# Altium PCB Copy of PCB-SM-multi.PcbDoc (part 2 of 2)
Units mil, origin at the board's own origin, x right, y up, seen from the top; angles counter-clockwise.
Board outline 4897 x 3097 mil, 5 copper layers (L1, L1-2, L2, L3, L4); 330 components, 255 nets, 1010 pads, 4 vias.
Unrouted connection lines stored in the file: 538.
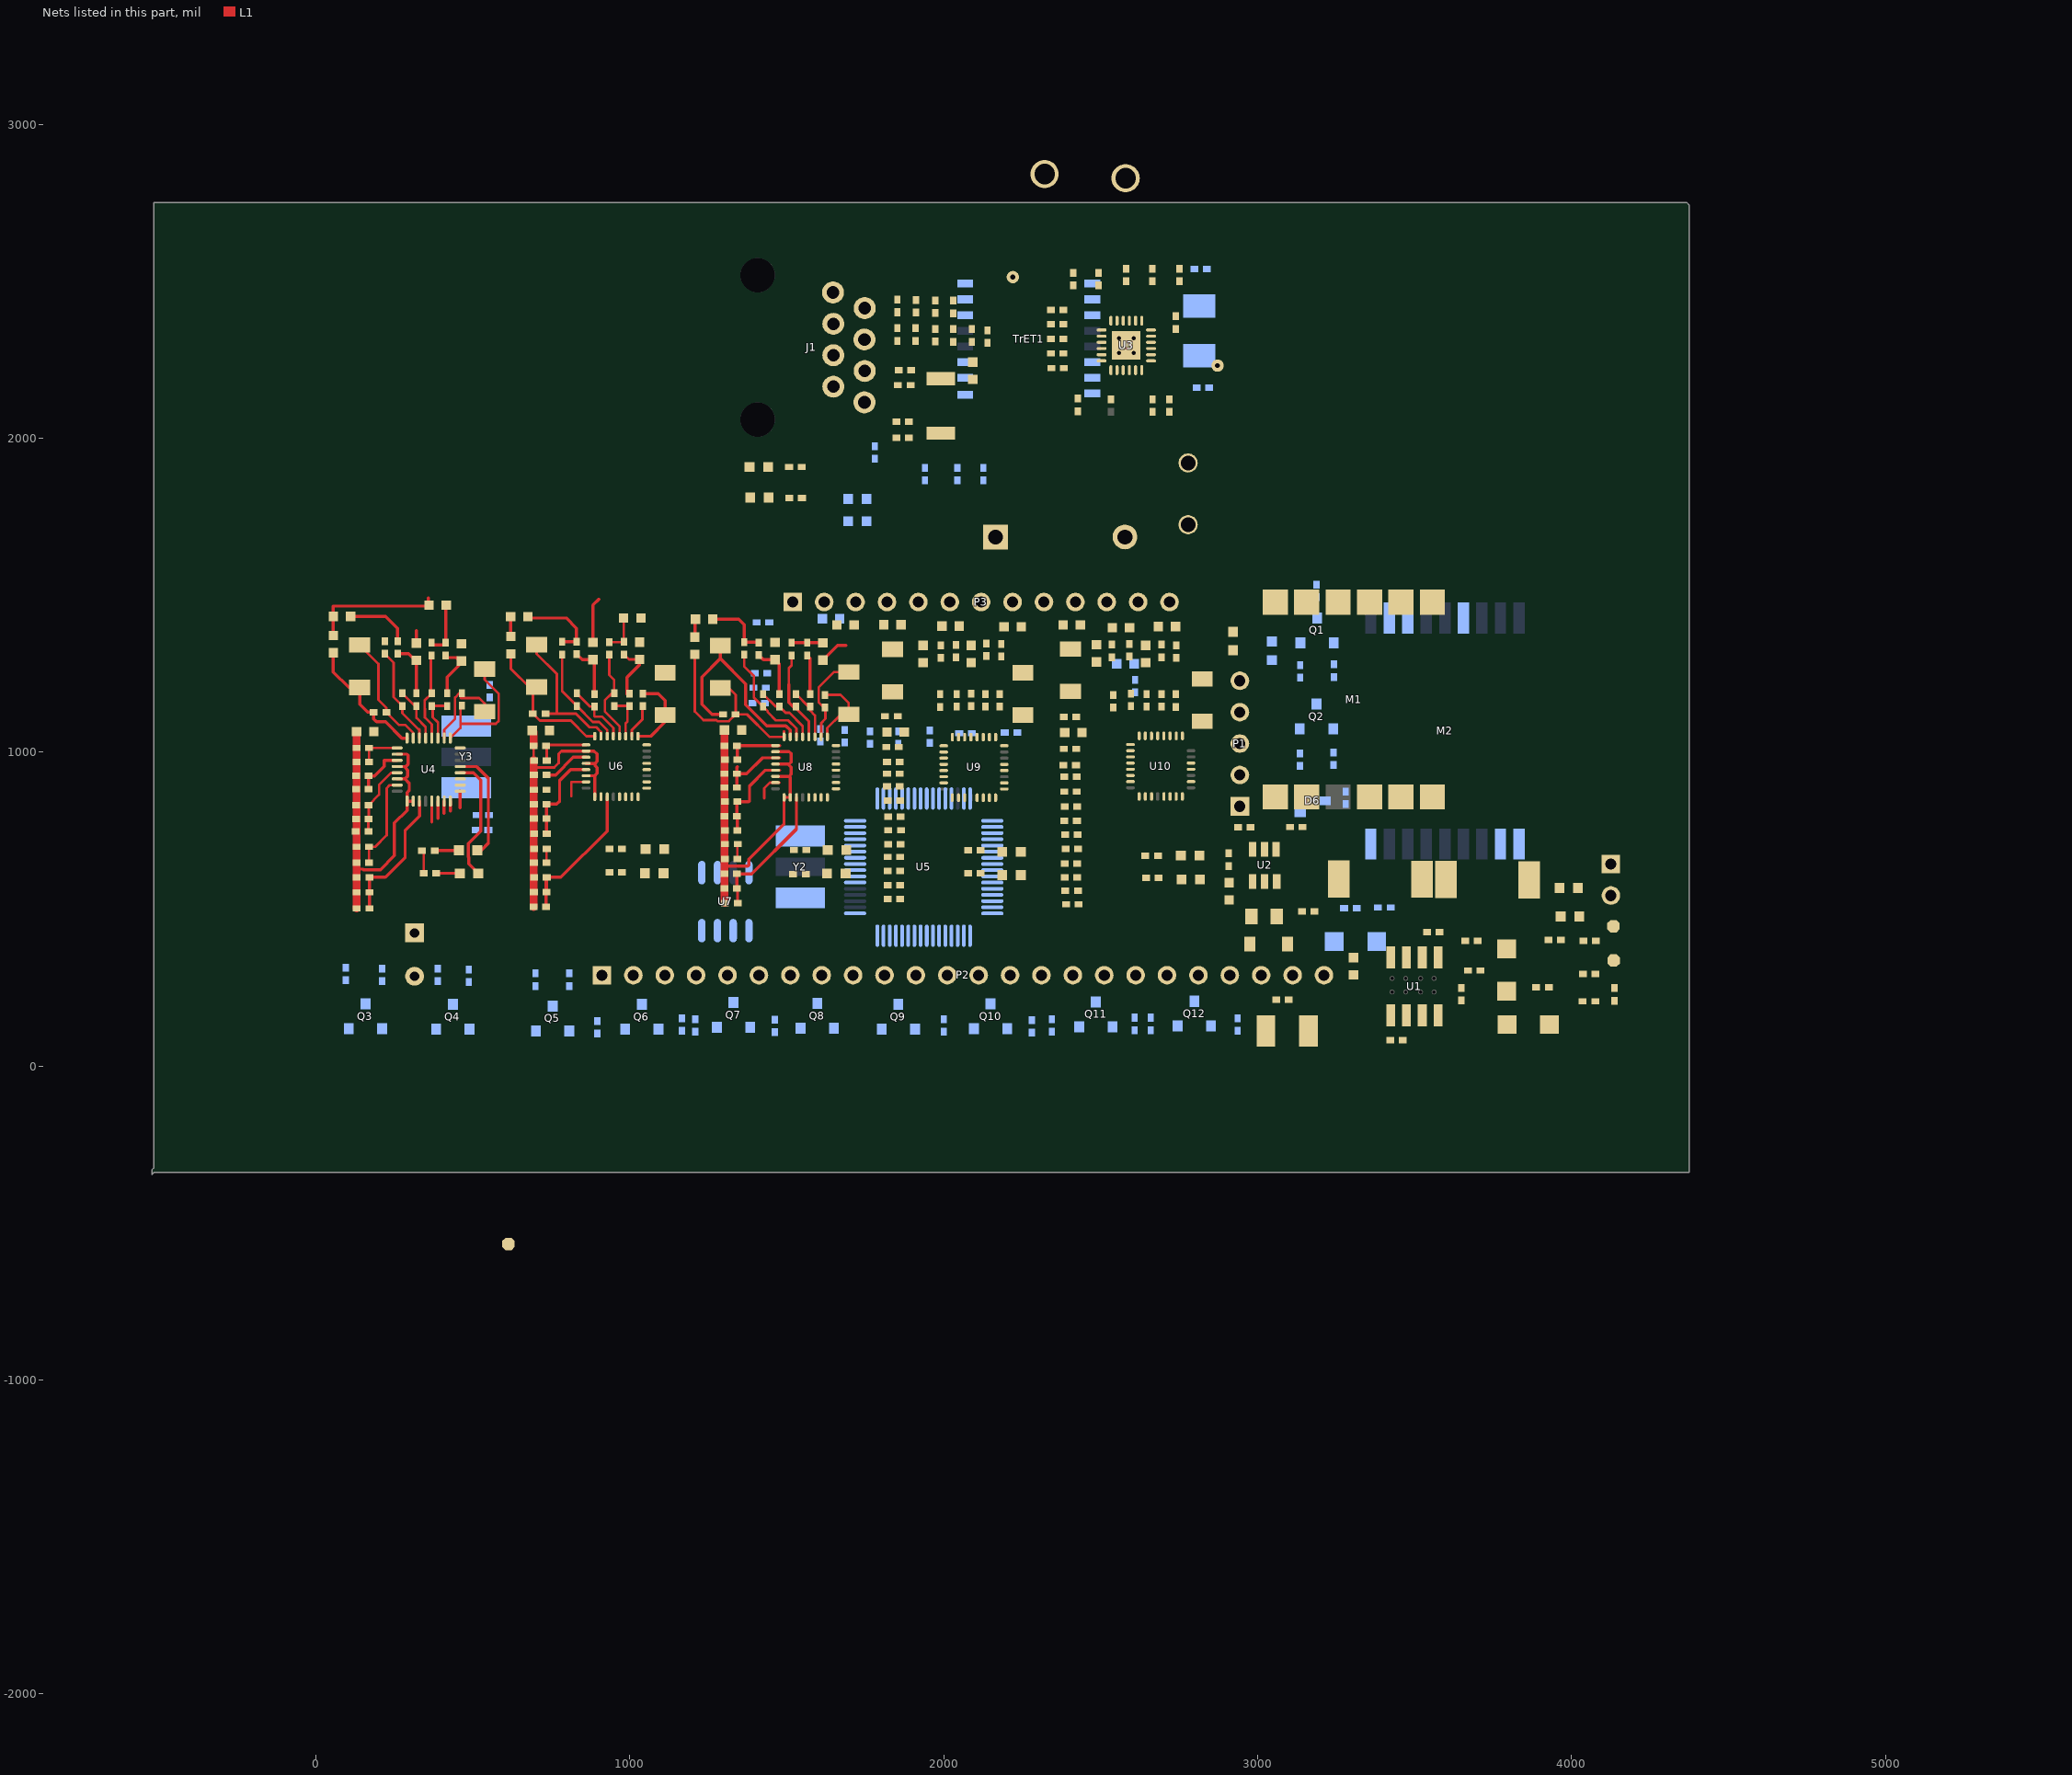
[diagram p2: the nets of this part, all layers, seen from the top]

## Part data
BT1: library part Battery, "Multicell Battery"
C1 C2 C3 C4 C5 C6 C7 C8 C9 C10 C11 C12 C13 C14 C15 C16 C24 C28 C38 C39 C46 C59 C64 C78 C81 C93 C99 C111 C117: library part Cap, "Capacitor"
C17 C18 C19 C20 C21 C22 C23 C25 C26 C27 C29 C30 C32 C33 C34 C35 C36 C37 C40 C41 C42 C43 C44 C45 C47 C48 C49 C50 C51 C52 C53 C54 C55 C56 C57 C60 C61 C62 C63 C65 C66 C67 C68 C69 C70 C71 C72 C73 C74 C75 C77 C79 C80 C82 C83 C84 C85 C86 C87 C88 C89 C90 C91 C94 C95 C96 C97 C98 C100 C101 C102 C103 C104 C105 C106 C107 C108 C110 C112 C113 C114 C115 C116 C118 C119 C120 C121 C122 C123 C124: library part 0805C-18PF-50V-C0G-JOH, "CAPACITOR 0805 CERAMIC"
D1: library part "D Schottky", "Schottky Diode"
D2 D3 D7 D8 D9: library part LED2, "Typical RED, GREEN, YELLOW, AMBER GaAs LED"
D4: library part "Diode 1N4007", "1 Amp General Purpose Rectifier"
D5: library part 1N4001, "1N4001"
D6: library part "D Zener", "Zener Diode"
D10 D11 D12 D13 D14 D15 D16 D17 D18 D19 D20 D21: "Typical RED, GREEN, YELLOW, AMBER GaAs LED"
J1: "GENERIC RJ45 CONNECTOR 8 PIN"
L1 L2: library part Inductor, "Inductor"
L3: library part 1U-1239AS-TOKO, "1239AS-H-1R0N"
L4 L6 L7 L8 L9 L10 L11 L12 L13 L14 L15 L16 L17 L18 L19 L20 L21 L22 L23 L24 L25 L26 L27 L28 L29 L30 L31 L32 L33: library part FerrBeads/ILBB
M2: library part "ESP 8266"
P1: "Header, 5-Pin"
P2: "Header, 24-Pin"
P3: "Header, 13-Pin"
Q1: library part MMBT2222, "GENERIC PNP BIPOLAR TRANSISTOR"
Q2 Q3 Q4 Q5 Q6 Q7 Q8 Q9 Q10 Q11 Q12: "BC847 SMALL SIGNAL NPN TRANSISTOR"
R1 R2 R3 R4 R5 R6 R7 R8 R9 R10 R11 R12 R13 R14 R15 R16 R17 R18 R19 R20 R21 R22 R23 R24 R25 R26 R27 R28 R29 R30 R31 R32 R33 R34 R35 R36 R37 R38 R39 R40 R41 R42 R43 R44 R45 R46 R47 R48 R49 R50 R51 R52 R53 R54 R55 R56 R57 R58 R59 R60 R61 R62 R63 R64 R65 R66 R67 R68 R69 R70 R71 R72 R73 R74 R75 R76 R77 R78 R79 R80 R81 R82 R83 R84 R85 R86 R87 R88 R89 R90 R91 R92 R93 R94 R95 R96 R97 R98 R99 R100 R101 R102 R103 R104 R105 R106 R107 R108 R109 R110 R111 R112 R113 R114: library part Res3, "Resistor"
TP1 TP1 TP2 TP3 TP4 TP5 TP6 TP10: "TESTPOINT SCOPE GRABBER"
TrET1: library part S558-5999-Eth.TR
U5: library part PIC32MX534F064F
Y1: library part CRYSTAL-GENERIC, "GENERIC CRYSTAL"
Y2 Y3: library part XTAL, "Crystal Oscillator"

## Via types
v1: diameter 25.98, hole 12.99, L1 to L4, tented top, 4 vias

## Nets (pads, with @x,y where several pads share a name; then routed paths per layer and width w, separated by ;. In a path a pad name is that pad's centre, name@x,y a point inside that pad or via, vN(x,y) a via of type N, cw(c..) or ccw(c..) an arc to the next point about the centre after c; other vN are vias at no path point)
GND: BT1.2 C2.2 C3.2 C4.2 C5.2 C8.2 C9.1 C10.2 C11.2 C12.2 C13.2 C14.2 C15.2 C16.2 C17.2 C18.2 C19.2 C20.2 C21.2 C22.2 C23.2 C24.2 C25.2 C26.2 C27.1 C28.2 C29.2 C30.2 C31.2 C32.2 C33.2 C34.2 C36.1 C37.2 C38.2 C39.2 C40.2 C41.2 C42.2 C44.2 C45.2 C46.2 C47.2 C49.2 C50.2 C51.2 C52.2 C53.2 C55.2 C56.2 C57.1 C59.2 C60.2 C61.2 C62.2 C63.2 C64.2 C67.1 C69.2 C70.2 C71.2 C72.1 C74.2 C75.2 C77.2 C78.2 C79.2 C80.2 C81.2 C82.2 C86.2 C87.2 C88.2 C89.2 C91.2 C93.2 C95.2 C96.2 C97.2 C98.1 C99.2 C100.2 C104.2 C105.2 C106.2 C107.2 C108.2 C110.2 C111.2 C112.2 C113.2 C115.2 C116.2 C117.2 C121.2 C122.2 C123.2 C124.2 D1.1 D3.2 D6.A D7.2 D14.2 D15.2 L5.1 L6.1 L8.1 L9.1 L11.1 L12.1 L14.1 L15.1 L17.1 L18.1 L20.1 L21.1 L23.1 L24.1 L26.1 L27.1 L29.1 L30.1 L32.1 L33.1 M1.1 M1.11 M1.12 M2.9 P1.5 P2.23 P2.24 P3.11 P3.12 P3.13 Q2.E Q3.E Q4.E Q5.E Q6.E Q7.E Q8.E Q9.E Q10.E Q11.E Q12.E R6.2 R7.1 R8.1 R15.1 R16.2 R21.1 R37.1 R51.1 R56.1 R62.1 R71.1 R76.1 R81.1 R93.1 R99.1 R105.1 R108.1 TB1.2 U1.4@3574,161 U2.1 U3.25 U4.18 U4.20 U4.22 U4.25 U4.26 U5.9 U5.20 U5.25 U5.41 U6.18 U6.20 U6.22 U6.25 U6.26 U7.3 U7.4 U8.18 U8.20 U8.22 U8.25 U8.26 U9.18 U9.20 U9.22 U9.25 U9.26 U10.18 U10.20 U10.22 U10.25 U10.26 | length 4133.6
  L1 w8: C60.2@693,553 C60.2@694,554 ; C72.1@693,975 C70.2@693,1020 ; C70.2@693.81,1020 L12.1@693.81,1064.19 ; C64.2@694,600 C64.2@695,601 ; C56.2@694,648 C56.2@695,647 ; C57.1@694,691 C57.1@695,692 ; C69.2@694,880 C71.2@694,927 ; C71.2@695,928 695,951 ; C72.1@695,973 695,951 ; 782.21,1003.21 773,994 773,965 759,951 695,951
  L1 w10: L9.1@55,1371 L8.1@55,1432 55,1465 358,1465 358,1491 ; L6.1@121.79,1057.79 L6.1@125.79,1061.79 ; 125.79,993.21 129,993.21 ; C29.2@127,700 C29.2@129,698 ; C32.2@127,747 C32.2@128,748 ; C27.1@129,602 C27.1@130,601 ; 129,627 149.4,627 151.2,625.2 205.2,625.2 250,670 250,774 290.1,814.1 U4.25@290.1,843.61 ; L6.1@129,1065 L6.1@125.79,1061.79 ; L6.1@137.79,1061.79 129,1061.79 L6.1@125.79,1061.79 ; U4.22@258.61,914.39 283.39,914.39 ; U4.20@258.61,953.84 285.84,953.84 ; U4.18@258.61,993.21 289.79,993.21 293,990 293,961 285.84,953.84 ; U4.26@309.79,843.61 U4.25@290.1,843.61 ; L14.1@620,1431 620,1369 L15.1@621,1368 ; 782.21,1003.21 U6.18@860.54,1003.21 885.79,1003.21 895,994 895,970 888.84,963.84 ; U6.22@860.54,924.47 887.53,924.47 896,932.94 896,950 888.84,957.16 888.84,963.84 ; U6.20@860.54,963.84 888.84,963.84 ; U6.25@888.1,857.54 888.1,923.9 ; L21.1@1207,1366 1207,1421 L20.1@1209,1423 ; 1301,637 1323.4,637 1324.2,636.2 1375.2,636.2 1379,640 1379,659 1491,771 1491,855.54 U8.25@1491.1,855.54 U8.26@1510.79,855.54 1510.79,919.1 ; U8.22@1476.54,922.47 1507.47,922.47 1514,929 1514,952 1506.84,959.16 1506.84,961.84 ; U8.20@1476.54,961.84 1506.84,961.84 ; U8.18@1476.54,1001.21 1506.79,1001.21 1513,995 1513,968 1506.84,961.84 ; L17.1@1615,1293 1662,1340 1688,1340 ; 283.39,914.39 297,900.79 297,878 290.1,871.1 U4.25@290.1,843.61 ; 283.39,914.39 292,923 292,942 285.84,948.16 285.84,953.84
  L1 w25: L6.1@129,1065 129,1061.79 C53.2@129,1013 129,993.21 C51.2@129,968 C29.2@129,698 C30.2@129,648 129,627 129,602 129,554 C33.2@130,553 C39.2@130,502 ; C61.2@693,507 693,553 693,601 693,927 C72.1@693,975 ; C70.2@693,1020 L12.1@693,1065 ; L18.1@1301,1070 C89.2@1301,1020 C88.2@1301,931 C86.2@1301,887 C78.2@1301,796 1301,637 C81.2@1301,612 C79.2@1301,566 1301,521 C77.2@1303,519
  other v1: 2557.64,2271.59 2604.88,2271.59 2557.64,2318.83 2604.88,2318.83
NetBT1_1: BT1.1 D4.1 R10.1 R11.2 R12.2
NetC1_1: C1.1 U1.1
NetC1_2: C1.2 D1.2 L1.1 U1.3
NetC4_1: C4.1 D2.1 D4.2 R1.2 R3.2 R4.2 TB1.1 U1.2
NetC5_1: C5.1 U1.8
NetC6_1: C6.1 U1.6
NetC6_2: C6.2 R8.2
NetC7_1: C7.1 D5.K R14.1
NetC7_2: C7.2 L2.1 U2.2
NetC10_1: C10.1 D5.A L2.2
NetC11_1: C11.1 C12.1 C14.1 L3.2 R23.2 R24.2 R25.2 R26.2 U3.1 U3.19
NetC16_1: C16.1 C17.1 U3.6
NetC18_1: C18.1 R23.1 TP3.1 TrET1.1 U3.21
NetC19_1: C19.1 R24.1 TP4.1 TrET1.3 U3.20
NetC20_1: C20.1 R25.1 TP5.1 TrET1.6 U3.23
NetC21_1: C21.1 R26.1 TP6.1 TrET1.8 U3.22
NetC22_1: C22.1 R27.2 R28.1 R33.1 R34.2
NetC24_1: C24.1 R36.1 U3.15
NetC25_1: C25.1 U3.4 Y1.2
NetC26_1: C26.1 U3.5 Y1.1
NetC27_2: C27.2 C33.1 C39.1 U4.27 | length 437.5
  L1 w10: C39.1@170,502 C33.1@170,553 C27.2@170,601 221,601 284,664 284,751 329.47,796.47 U4.27@329.47,843.61
NetC28_1: C28.1 C32.1 C36.2 U4.21 | length 234.5
  L1 w8: C32.1@167,747 C36.2@167,786 ; C36.2@168,787 C28.1@168,831 201,864 201,895 240.16,934.16 U4.21@258.61,934.16
NetC35_1: C35.1 R42.1 U4.12 | length 279.6
  L1 w8: R42.1@366,1302 C35.1@366,1184 ; U4.12@368.84,1044.39 368.84,1087.97 346.91,1109.91 346.91,1138.09 346,1139 346,1164 C35.1@366,1184 ; C35.1@369,1187 C35.1@366,1184
NetC35_2: C35.2 R40.1 U4.11 | length 157.4
  L1 w8: C35.2@365,1143 372,1136 372,1111 388.53,1094.47 U4.11@388.53,1044.39 ; C35.2@369,1147 R40.1@418,1147
NetC42_1: C42.1 R46.2 U5.40 Y2.2
NetC43_1: C43.1 L6.2 R45.2 U4.10 | length 280.9
  L1 w8: U4.10@408.21,1044.39 408.21,1071.21 443,1106 443,1174 457,1188 C43.1@465,1188 ; 461,1172 520,1172 537,1155 R45.2@537,1129
NetC43_2: C43.2 P2.1 R45.1 U4.9 | length 428.3
  L1 w8: U4.9@427.9,1044.39 460,1076.5 460,1090.24 ; C43.2@465,1148 460,1143 460,1090.24 ; R45.1@537,1264 537,1231 582.26,1185.74 582.26,1099.51 573,1090.24 460,1090.24
NetC46_1: C46.1 U5.56
NetC47_1: C47.1 R46.1 U5.39 Y2.1
NetC48_1: C48.1 R50.1 U4.14 | length 316.1
  L1 w8: R50.1@219,1313 247,1285 247,1175 C48.1@275,1147 275,1124 326.47,1072.53 329.47,1072.53 U4.14@329.47,1044.39
NetC48_2: C48.2 R47.1 U4.13 | length 176.3
  L1 w8: C48.2@275,1187 315,1147 R47.1@320,1147 320,1109 349.16,1079.84 U4.13@349.16,1044.39
NetC49_1: C49.1 R52.2 TP10.1 U4.3 Y3.2
NetC50_1: C50.1 C52.1 U4.19 | length 164.3
  L1 w10: C52.1@168,882 C50.1@168,924 187,924 217.53,954.53 217.53,973.53 U4.19@258.61,973.53
NetC51_1: C51.1 C53.1 U4.17 | length 134.6
  L1 w8: C51.1@169,968 C53.1@169,1013 258.5,1013 U4.17@258.61,1012.9
NetC54_1: C54.1 L9.2 R53.2 U4.16 | length 427.9
  L1 w10: L9.2@55,1316 55,1255 104,1206 R53.2@139,1206 139,1152 164,1127 C54.1@184,1127 184,1105 193,1096 222,1096 273.61,1044.39 U4.16@290.1,1044.39
NetC54_2: C54.2 P2.11 R53.1 U4.15 | length 379
  L1 w8: R53.1@139,1341 199,1281 199,1166 224,1141 C54.2@224,1127 265,1086 284.94,1086 309.79,1061.15 U4.15@309.79,1044.39
NetC55_1: C55.1 R52.1 U4.2 Y3.1
NetC59_1: C59.1 C62.1 C63.1 U6.21 | length 305.2
  L1 w10: C63.1@735,740 734,741 C62.1@734,788 C59.1@734,834 767,834 776,843 776,909 811.16,944.16 U6.21@860.54,944.16
NetC60_1: C60.1 C61.1 C64.1 U6.27 | length 504.6
  L1 w10: C61.1@733,507 C64.1@733,601 ; C60.1@734,553.4 C60.1@734,554 734,600 C64.1@735,601 780,601 927.47,748.47 U6.27@927.47,857.54
NetC65_1: C65.1 R58.1 U6.12 | length 293.3
  L1 w8: R58.1@934,1310 934,1245 950,1229 C65.1@950,1187 ; C65.1@941,1186 920,1165 920,1129 966.84,1082.16 U6.12@966.84,1050.46
NetC65_2: C65.2 R55.1 U6.11 | length 143.8
  L1 w8: C65.2@950,1147 R55.1@998,1147 ; U6.11@986.53,1050.46 986.53,1091.53 992,1097 R55.1@992,1144
NetC66_1: C66.1 L12.2 R61.2 U6.10 | length 109.5
  L1 w8: U6.10@1006.21,1050.46 1006.21,1070.21 1040,1104 C66.1@1040,1146
NetC66_2: C66.2 P2.3 R61.1 U6.9 | length 253.1
  L1 w10: U6.9@1025.9,1050.46 1066.46,1050.46 1112,1096 R61.1@1112,1118 1112,1164 1090,1186 C66.2@1041,1186
NetC67_2: C67.2 M1.2 M2.15 P1.4 R59.1 U5.7
NetC68_1: C68.1 R66.1 U6.14 | length 331.7
  L1 w8: R66.1@784,1311 784,1194 C68.1@831,1147 882,1096 902,1096 927.47,1070.53 U6.14@927.47,1050.46
NetC68_2: C68.2 R63.1 U6.13 | length 206.3
  L1 w8: C68.2@831,1187 873,1145 R63.1@887,1145 887,1114 888,1113 911,1113 947.16,1076.84 U6.13@947.16,1050.46
NetC69_1: C69.1 C71.1 U6.19 | length 150
  L1 w10: C71.1@734,927 763.17,927 819.7,983.53 U6.19@860.54,983.53
NetC70_1: C70.1 C72.2 U6.17 | length 176.6
  L1 w8: C72.2@735,973 735,1018 C70.1@733,1020 735.9,1022.9 U6.17@860.54,1022.9
NetC73_1: C73.1 L15.2 R72.2 U6.16 | length 470.7
  L1 w8: L15.2@621,1313 621,1265 679,1207 R72.2@703,1207 691,1195 C73.1@691,1122 713,1100 812,1100 861.54,1050.46
  L1 w10: 861.54,1050.46 U6.16@888.1,1050.46
NetC73_2: C73.2 P2.13 R72.1 U6.15 | length 461
  L1 w8: R72.1@703,1342 703,1313 767,1249 767,1122 ; C73.2@731,1122 767,1122 ; U6.15@907.79,1050.46 907.79,1064.21 893,1079 871,1079 828,1122 767,1122
NetC77_1: C77.1 C79.1 C81.1 U8.27 | length 443.4
  L1 w10: C77.1@1343,519 1343,564 C79.1@1341,566 C81.1@1341,612 1388,612 1530.47,754.47 U8.27@1530.47,855.54
NetC78_1: C78.1 C80.1 C82.1 U8.21 | length 296.4
  L1 w10: C80.1@1342,750 1342,795 C78.1@1341,796 1341,841 C82.1@1342,842 1378,842 1381,845 1381,892 1431.16,942.16 U8.21@1463.54,942.16 U8.21@1476.54,942.16
NetC83_1: C83.1 R77.1 U8.12 | length 289.2
  L1 w8: 1506.2,1215.2 1506.2,1267.2 1515,1276 R77.1@1515,1308 ; C83.1@1529,1139 1569.84,1098.16 U8.12@1569.84,1048.46
  L1 w10: 1506.2,1215.2 1506.2,1158.2 1519.4,1145 C83.1@1529,1145
NetC83_2: C83.2 R74.1 U8.11 | length 151.5
  L1 w8: C83.2@1529,1185 1569,1145 R74.1@1574,1145 ; 1574,1132 1589.53,1116.47 U8.11@1589.53,1048.46
NetC84_1: C84.1 L18.2 R78.2 U8.10 | length 292.2
  L1 w8: U8.10@1609.21,1048.46 1609.21,1092.21 1623,1106 1623,1140.19 C84.1@1621.19,1142 ; C84.1@1623,1142 C84.1@1621.19,1142 ; R78.2@1697,1255 1650.01,1255 1601.2,1206.19 1601.2,1158.8 1618,1142 C84.1@1621.19,1142
NetC84_2: C84.2 P2.5 R78.1 U8.9 | length 235.2
  L1 w8: C84.2@1623,1182 1671,1182 1697,1156 R78.1@1697,1120 1672,1120 1628.9,1076.9 U8.9@1628.9,1048.46
NetC85_1: C85.1 R83.1 U8.14 | length 353.6
  L1 w8: R83.1@1364,1310 1364,1273 1395,1242 1395,1174 C85.1@1424,1145 1439,1130 1439,1127 1465,1101 1504.43,1101 1530.2,1075.23 1530.2,1048.73 U8.14@1530.47,1048.46
NetC85_2: C85.2 R80.1 U8.13 | length 202.9
  L1 w8: C85.2@1424,1185 1464,1145 R80.1@1476,1145 1496,1125 1508,1125 1550.16,1082.84 U8.13@1550.16,1048.46
NetC86_1: C86.1 C88.1 U8.19 | length 223.1
  L1 w10: C86.1@1341,887 C88.1@1341,931 ; 1342,953.2 1341,952.2 C88.1@1341,931 ; U8.19@1476.54,981.53 U8.19@1463.54,981.53 1422.53,981.53 1372,931 C88.1@1341,931
NetC87_1: C87.1 C89.1 U8.17 | length 180.3
  L1 w10: C87.1@1342,976 1342,1019 C89.1@1341,1020 1341.9,1020.9 U8.17@1463.54,1020.9 U8.17@1476.54,1020.9
NetC90_1: C90.1 L21.2 R85.2 U8.16 | length 655.1
  L1 w8: L21.2@1207,1311 1207,1129 1234,1102 1275.81,1102 1279.61,1098.2 1315.2,1098.2 C90.1@1337,1120 ; R85.2@1288,1204 1315,1204 1337,1182 C90.1@1337,1120 ; 1491.1,1065.9 U8.16@1491.1,1048.46 1444.54,1048.46 1373,1120 C90.1@1337,1120
NetC90_2: C90.2 P2.15 R85.1 U8.15 | length 670.1
  L1 w10: R85.1@1288,1339 1288,1298 ; C90.2@1297,1120 1261,1120 1229,1152 1229,1239 1288,1298 ; U8.15@1510.79,1048.46 1510.79,1069.97 1496.76,1084 1436,1084 1369,1151 1369,1217 1288,1298
NetC91_1: C91.1 C96.1 C99.1 U9.27
NetC93_1: C93.1 C98.2 C100.1 U9.21
NetC94_1: C94.1 R89.1 U9.12
NetC94_2: C94.2 R87.1 U9.11
NetC101_1: C101.1 L24.2 R90.2 U9.10
NetC101_2: C101.2 P2.7 R90.1 U9.9
NetC102_1: C102.1 R95.1 U9.14
NetC102_2: C102.2 R92.1 U9.13
NetC103_1: C103.1 L27.2 R96.2 U9.16
NetC103_2: C103.2 P2.17 R96.1 U9.15
NetC104_1: C104.1 C105.1 U9.19
NetC106_1: C106.1 C107.1 U9.17
NetC111_1: C111.1 C115.1 C116.1 U10.21
NetC112_1: C112.1 C113.1 C117.1 U10.27
NetC114_1: C114.1 R104.1 U10.12
NetC114_2: C114.2 R101.1 U10.11
NetC118_1: C118.1 L30.2 R106.2 U10.10
NetC118_2: C118.2 P2.9 R106.1 U10.9
NetC119_1: C119.1 R111.1 U10.14
NetC119_2: C119.2 R109.1 U10.13
NetC120_1: C120.1 L33.2 R112.2 U10.16
NetC120_2: C120.2 P2.19 R112.1 U10.15
NetC121_1: C121.1 C123.1 U10.19
NetC122_1: C122.1 C124.1 U10.17
NetD2_2: D2.2 Q1.B R9.2
NetD3_1: D3.1 R2.2
NetD6_K: D6.K R11.1
NetD7_1: D7.1 R20.2
NetD8_1: D8.1 R38.1
NetD8_2: D8.2 U3.3
NetD9_1: D9.1 R39.1
NetD9_2: D9.2 U3.2
NetD10_1: D10.1 R43.1 | length 77.4
  L1 w10: R43.1@378,686 454,686 D10.1@455,687
NetD10_2: D10.2 U4.5 | length 356.3
  L1 w10: U4.5@459.39,953.84 512.16,953.84 549,917 549,710 526,687 D10.2@514.06,687
NetD11_1: D11.1 R44.1 | length 75.4
  L1 w10: R44.1@383,614 457,614 D11.1@458,613
NetD11_2: D11.2 U4.4 | length 402
  L1 w10: U4.4@459.39,934.16 500.84,934.16 525,910 525,747.54 485.51,708.05 485.51,665.16 486.3,664.37 486.3,643.76 D11.2@517.06,613
NetD12_1: D12.1 R69.1
NetD12_2: D12.2 U6.4
NetD13_1: D13.1 R70.1
NetD13_2: D13.2 U6.5
NetD14_1: D14.1 R68.1
NetD15_1: D15.1 R67.1
NetD16_1: D16.1 R84.1
NetD16_2: D16.2 U8.4
NetD17_1: D17.1 R86.1
NetD17_2: D17.2 U8.5
NetD18_1: D18.1 R98.1
NetD18_2: D18.2 U9.4
NetD19_1: D19.1 R100.1
NetD19_2: D19.2 U9.5
NetD20_1: D20.1 R114.1
NetD20_2: D20.2 U10.5
NetD21_1: D21.1 R113.1
NetD21_2: D21.2 U10.4
NetJ1_1: J1.1 TrET1.16
NetJ1_2: J1.2 TrET1.14
NetJ1_3: J1.3 TrET1.11
NetJ1_4: J1.4 J1.5 R27.1
NetJ1_6: J1.6 TrET1.9
NetJ1_7: J1.7 J1.8 R34.1
NetL4_1: L4.1 P3.1
NetL4_2: L4.2 R40.2 R41.2 | length 173.3
  L1 w10: R41.2@413,1301 447,1301 463,1285 463,1284 422,1243 418,1239 R40.2@418,1187
NetL5_2: L5.2 R41.1 R42.2 | length 165.8
  L1 w10: R42.2@367,1343 369,1341 413,1341 R41.1@413,1348 L5.2@413,1460
NetL7_1: L7.1 P3.2 | length 44
  L1 w10: L7.1@320,1343 L7.1@320,1347 320,1387
NetL7_2: L7.2 R47.2 R49.2 | length 173
  L1 w10: R49.2@260,1313 295,1313 320,1288 L7.2@316,1284 ; R47.2@320,1187 L7.2@320,1284
NetL8_2: L8.2 R49.1 R50.2 | length 206.7
  L1 w10: L8.2@110,1432 222,1432 260,1394 R49.1@260,1353
NetL10_1: L10.1 P3.3
NetL10_2: L10.2 R55.2 R57.2 | length 183.2
  L1 w8: R57.2@981,1311 997,1295 L10.2@1031,1295
  L1 w10: R55.2@991,1185 991,1238 1031,1278 L10.2@1031,1295
NetL11_2: L11.2 R57.1 R58.2 | length 123
  L1 w8: R58.2@934,1350 980,1350 L11.2@980,1427
NetL13_1: L13.1 P3.4 | length 145.9
  L1 w10: L13.1@882,1349 882,1468 901,1487
NetL13_2: L13.2 R63.2 R64.2 | length 170.5
  L1 w10: R64.2@830,1312 848,1294 L13.2@882,1294 887,1289 R63.2@887,1185
NetL14_2: L14.2 R64.1 R66.2 | length 258.7
  L1 w10: L14.2@675,1431 679,1427 797,1427 830,1394 R64.1@830,1352 829,1351 R66.2@784,1351
NetL16_1: L16.1 P3.5
NetL16_2: L16.2 R74.2 R75.2 | length 126.7
  L1 w10: R75.2@1565,1308 1574,1299 R74.2@1574,1185
NetL17_2: L17.2 R75.1 R77.2 | length 100
  L1 w10: R77.2@1515,1348 R75.1@1565,1348 L17.2@1615,1348
NetL19_1: L19.1 P3.6
NetL19_2: L19.2 R80.2 R82.2 | length 174.6
  L1 w10: R82.2@1410,1309 1425,1294 L19.2@1462,1294 1475,1281 R80.2@1475,1183
NetL20_2: L20.2 R82.1 R83.2 | length 209.5
  L1 w10: L20.2@1264,1423 1347,1423 1364,1406 R83.2@1364,1350 1409,1350 R82.1@1410,1349
NetL22_1: L22.1 P3.7
NetL22_2: L22.2 R87.2 R88.2
NetL23_2: L23.2 R88.1 R89.2
NetL25_1: L25.1 P3.8
NetL25_2: L25.2 R92.2 R94.2
NetL26_2: L26.2 R94.1 R95.2
NetL28_1: L28.1 P3.9
NetL28_2: L28.2 R101.2 R103.2
NetL29_2: L29.2 R103.1 R104.2
NetL31_1: 
NetL31_2: L31.2 R109.2 R110.2
NetL32_2: L32.2 R110.1 R111.2
NetM1_3: M1.3 U5.43
NetM1_4: M1.4 U5.46
NetM1_5: M1.5 U5.32 U7.5
NetM1_6: M1.6 U5.29 U7.6
NetM1_7: M1.7 U5.31 U7.2
NetM1_8: M1.8 U5.24
NetM2_11: M2.11 U5.51
NetM2_12: M2.12 U5.50
NetP1_2: P1.2 U5.15
NetP1_3: P1.3 U5.16
NetP2_1: 
NetP2_2: P2.2 Q3.C
NetP2_3: 
NetP2_4: P2.4 Q4.C
NetP2_5: 
NetP2_6: P2.6 Q5.C
NetP2_7: 
NetP2_8: P2.8 Q6.C
NetP2_9: 
NetP2_10: P2.10 Q7.C
NetP2_11: 
NetP2_12: P2.12 Q8.C
NetP2_13: 
NetP2_14: P2.14 Q9.C
NetP2_15: 
NetP2_16: P2.16 Q10.C
NetP2_17: 
NetP2_18: P2.18 Q11.C
NetP2_19: 
NetP2_20: P2.20 Q12.C
NetP3_10: L31.1 P3.10
NetQ1_C: Q1.C R10.2
NetQ1_E: Q1.E R4.1
NetQ2_B: Q2.B R13.1 R16.1
NetQ2_C: Q2.C R9.1
NetQ3_B: Q3.B R48.2 R51.2
NetQ4_B: Q4.B R54.2 R56.2
NetQ5_B: Q5.B R60.2 R62.2
NetQ6_B: Q6.B R65.2 R71.2
NetQ7_B: Q7.B R73.2 R76.2
NetQ8_B: Q8.B R79.2 R81.2
NetQ9_B: Q9.B R91.2 R93.2
NetQ10_B: Q10.B R97.2 R99.2
NetQ11_B: Q11.B R102.2 R105.2
NetQ12_B: Q12.B R107.2 R108.2
NetR1_1: R1.1 U1.7
NetR3_1: R3.1 R7.2 U5.23
NetR5_2: R5.2 R6.1 U1.5
NetR12_1: R12.1 R15.2 U5.22
NetR13_2: R13.2 U5.33
NetR14_2: R14.2 U2.6
NetR17_1: R17.1 U2.5
NetR18_1: R18.1 R19.2 R21.2
NetR18_2: R18.2 U2.4
NetR22_1: R22.1 U3.12 U5.49
NetR28_2: R28.2 TrET1.15
NetR29_1: R29.1 U3.8
NetR29_2: R29.2 U5.61
NetR30_1: R30.1 U3.7
NetR30_2: R30.2 U5.60
NetR31_1: R31.1 U3.11
NetR31_2: R31.2 U5.44
NetR32_1: R32.1 U3.10
NetR32_2: R32.2 U5.64
NetR33_2: R33.2 TrET1.10
NetR35_2: R35.2 U3.14 U5.63
NetR37_2: R37.2 U3.24
NetR48_1: R48.1 U5.59
NetR54_1: R54.1 U5.58
NetR60_1: R60.1 U5.55
NetR65_1: R65.1 U5.54
NetR67_2: R67.2 U5.42
NetR68_2: R68.2 U5.28
NetR73_1: R73.1 U5.53
NetR79_1: R79.1 U5.52
NetR91_1: R91.1 U5.48
NetR97_1: R97.1 U5.47
NetR102_1: R102.1 U5.21
NetR107_1: R107.1 U5.18
NetU3_13: U3.13 U5.30
NetU3_16: U3.16 U5.1
NetU3_17: U3.17 U5.2
NetU3_18: U3.18 U5.3
NetU4_1: U4.1 U6.2 | length 52.3
  L1 w10: 459,823 459.39,823.39 U4.1@459.39,875.1
NetU4_8: U4.8 U5.45 U6.8 U8.8 U9.8
NetU4_29: U4.29 U5.8 | length 66.4
  L1 w10: 368.84,777.16 U4.29@368.84,843.61
NetU4_30: U4.30 U5.4 U6.30 U8.30 U9.30 U10.30 | length 54.1
  L1 w10: 388.53,789.53 U4.30@388.53,843.61
NetU4_31: U4.31 U5.6 U6.31 U8.31 U9.31 U10.31 | length 38.7
  L1 w10: 408,805 408.21,805.21 U4.31@408.21,843.61
NetU4_32: U4.32 U5.5 U6.32 U8.32 U9.32 U10.32 | length 30.8
  L1 w10: U4.32@427.9,843.61 427.9,813.1 428,813 428,813.1
NetU5_11: U5.11 U6.29
NetU5_12: U5.12 U8.29
NetU5_13: U5.13 U10.29
NetU5_14: U5.14 U9.29
NetU5_17: U5.17
NetU5_27: U5.27 U7.1
NetU6_1: U6.1 U8.2
NetU8_1: U8.1
NetU9_1: U9.1 U10.2
NetU9_2: U9.2
VCC=3.3V: C23.1 C29.1 C30.1 C34.1 C37.1 C38.1 C40.1 C41.1 C44.1 C45.1 C56.1 C57.2 C74.1 C75.1 C95.1 C97.1 C108.1 C110.1 M1.10 M2.1 M2.2 P1.1 R19.1 R20.1 R36.2 R38.2 R39.2 R43.2 R44.2 R59.2 R69.2 R70.2 R84.2 R86.2 R98.2 R100.2 R113.2 R114.2 TP2.1 TrET1.2 TrET1.7 U4.23 U5.10 U5.19 U5.26 U5.38 U5.57 U6.23 U7.8 U8.23 U9.23 U10.23 | length 654.9
  L1 w8: C30.1@169,648 C29.1@169,698 188,698 225,735 225,885 234.79,894.79 U4.23@258.61,894.79 ; R43.2@338,686 343,681 R44.2@343,614 ; C56.1@734,648 C57.2@734,691 ; 813.79,859 813.79,904.79 U6.23@860.54,904.79 ; C74.1@1342,659 1342,706 C75.1@1343,707 ; 1428,853 1428,885 1445.79,902.79 U8.23@1463.54,902.79 U8.23@1476.54,902.79
VCC=5V: C2.1 C3.1 C8.1 C9.2 L1.2 P2.21 P2.22 R2.1 R5.1 R17.2 TP1.1@4133,445 U2.3
VDD=3.3V: C13.1 C15.1 C31.1 L3.1 R22.2 U3.9
pads on no net: D6.NC J1.A J1.B M1.9 M2.3 M2.4 M2.5 M2.6 M2.7 M2.8 M2.10 M2.13 M2.14 M2.16 M2.17 M2.18 R35.1 TP1.1@3400,444 TrET1.4 TrET1.5 TrET1.12 TrET1.13 U1.4@3494.87,255.49 U1.10 U1.11 U1.12 U1.13 U1.14 U1.15 U1.16 U1.17 U4.6 U4.7 U4.24 U4.28 U5.34 U5.35 U5.36 U5.37 U5.62 U6.3 U6.6 U6.7 U6.24 U6.28 U7.7 U8.3 U8.6 U8.7 U8.24 U8.28 U9.3 U9.6 U9.7 U9.24 U9.28 U10.1 U10.3 U10.6 U10.7 U10.24 U10.28 Y2.3 Y3.3
copper on no net: | length 126.2
  L1 w10: 6,110 ccw(c85.5,98.5) 74,19

## Keep-outs
Keep-Out Layer:
  lines w19.68: -6,-75 -6,1503 ; -3,1600 1279,1600 1279,2607 2934,2607 2934,1617 ; 0,22 4192,22 4192,1600 2934,1600

## Silkscreen, mask and mechanical layers (free items; w line width, h text height)
Top Overlay:
  lines w5: 219,1374 1782,1374 ; 296,1067 2888,1067 ; 391,1208 3184,1208 ; 1784,1367 2823,1367 ; 1796,524 1796,1087 ; 2361,1131 2361,427 2364,424
  lines w10: -758.57,2598.43 5353.27,2598.43 ; -440,57.85 -420,-2.15 ; -440,2536.27 -420,2596.27 ; -430,-2.15 -410,-2.15 ; -430,2596.27 -410,2596.27 ; -420,906.18 -420,-2.15 ; -420,1687.94 -420,2596.27 ; -400,57.85 -420,-2.15 ; -400,2536.27 -420,2596.27 ; -216.85,60 -196.85,0 ; -216.85,1514.8 -196.85,1574.8 ; -206.85,0 -186.85,0 ; -206.85,1574.8 -186.85,1574.8 ; -196.85,396.52 -196.85,0 ; -196.85,1178.28 -196.85,1574.8 ; -196.85,1596.28 4185,1596.28 ; -176.85,60 -196.85,0 ; -176.85,1514.8 -196.85,1574.8 ; 0,22 4192,22 ; 10.32,-206.02 10.32,-186.02 ; 18,564 583,564 ; 70.32,-216.02 10.32,-196.02 ; 70.32,-176.02 10.32,-196.02 ; 583,-78 583,1604 ; 878.56,-39.67 899,20.19 ; 881.44,353.14 901,293 ; 889,20.26 909,20.11 ; 891,293.07 911,292.93 ; 898.27,-79.81 899,20.19 ; 901.73,393 901,293 ; 918.56,-39.96 899,20.19 ; 921.44,352.85 901,293 ; 1164,-68 1164,1600 ; 1311.85,2675.99 1311.85,2695.99 ; 1317.96,2489.96 1317.96,2922 ; 1371.85,2665.99 1311.85,2685.99 ; 1371.85,2705.99 1311.85,2685.99 ; 1706.05,-196.01 10.32,-196.02 ; 1738.06,2685.99 1311.85,2685.99 ; 1745,-494 1745,1583 ; 2302,-82 2302,1620 ; 2423.1,-2049.57 2423.23,-2069.57 ; 2483.04,-2039.18 2423.17,-2059.57 ; 2483.29,-2079.18 2423.17,-2059.57 ; 2487.81,-196.01 4183.55,-196 ; 2499.82,2685.99 2926.04,2685.99 ; 2592.79,-2058.49 2423.17,-2059.57 ; 2866.04,2665.99 2926.04,2685.99 ; 2866.04,2705.99 2926.04,2685.99 ; 2875,-87 2875,1612 ; 2926.04,2675.99 2926.04,2695.99 ; 2938,1613 2938,2945 ; 3102,780 3103,781 ; 3354.54,-2053.64 3524.17,-2052.57 ; 3464.04,-2032.95 3524.17,-2052.57 ; 3464.3,-2072.95 3524.17,-2052.57 ; 3524.1,-2042.57 3524.23,-2062.57 ; 4123.55,-216 4183.55,-196 ; 4123.55,-176 4183.55,-196 ; 4183.55,-206 4183.55,-186 ; 4192,0 5429,0 5438,9 ; 5333.36,2538.39 5353.27,2598.43 ; 5337.23,59.97 5357.33,0 ; 5343.27,2598.41 5363.27,2598.44 ; 5347.33,-0.02 5367.33,0.02 ; 5354.68,1695.09 5353.27,2598.43 ; 5355.91,903.34 5357.33,0 ; 5373.36,2538.46 5353.27,2598.43 ; 5377.23,60.03 5357.33,0 ; 5446,0 5460,-14
  lines w19.68: -9,1595 1296,1595 1306,1605 ; -3,1600 -3,25 0,22 ; 1302,2592 1302,1609 1306,1605 ; 1305,2607 2923,2607 2934,2596 ; 1310,1609 1306,1605 ; 2934,1617 2938,1613 ; 2934,2607 2934,1605 2929,1600 4163,1600 4168,1595 ; 4192,22 4192,1600
  text "1614.192 (mil)" at 1748.06,2650 h60
  text "2598.428 (mil)" at 5318.7,1685.03 h60 r270.09
  text "2598.414 (mil)" at -384.01,916.18 h60 r90
  text "1574.803 (mil)" at -160.86,406.52 h60 r90
  text "272.822 (mil)" at 1041.35,-200.34 h60 r89.58
  text "4173.228 (mil)" at 1716.05,-232 h60
  text "1101.022 (mil)" at 2603.02,-2094.41 h60 r0.36
Bottom Overlay:
  lines w10: -348,52.84 -328,-7.16 ; -348,2531.28 -328,2591.28 ; -338,-7.16 -318,-7.16 ; -338,2591.28 -318,2591.28 ; -328,896.18 -328,-7.16 ; -328,1687.94 -328,2591.28 ; -308,52.84 -328,-7.16 ; -308,2531.28 -328,2591.28 ; -200.99,61.54 -180.99,1.54 ; -200.99,1516.34 -180.99,1576.34 ; -193,1605 -180,1592 -3,1592 ; -190.99,1.54 -170.99,1.54 ; -190.99,1576.34 -170.99,1576.34 ; -180.99,398.06 -180.99,1.54 ; -180.99,1179.82 -180.99,1576.34 ; -160.99,61.54 -180.99,1.54 ; -160.99,1516.34 -180.99,1576.34 ; 0.02,-173 -0.02,-153 ; 59.96,-142.89 0,-163 ; 60.04,-182.88 0,-163 ; 1279,1616 1279,3212 ; 1293.29,3022 1293.29,3042 ; 1313.28,2591.28 -328,2591.28 ; 1353.29,3012 1293.29,3032 ; 1353.29,3052 1293.29,3032 ; 1695.74,-159.75 0,-163 ; 1719.5,3032 1293.29,3032 ; 2477.49,-158.25 4173.23,-155 ; 2481.27,3032 2907.48,3032 ; 2847.48,3012 2907.48,3032 ; 2847.48,3052 2907.48,3032 ; 2907.48,3022 2907.48,3042 ; 2924,2695 2924,1616 2940,1600 ; 2932,1600 2932,3146 ; 4113.19,-135.12 4173.23,-155 ; 4113.27,-175.11 4173.23,-155 ; 4173.21,-145 4173.25,-165
  lines w19.68: -3,16 -3,1592 5,1600 1267,1600 1275,1608 1275,2607 2936,2607 ; 5,20 4194,20 4185,29 4185,1583 4168,1600 2932,1600
  text "1614.192 (mil)" at 1729.5,2996.01 h60
  text "2598.438 (mil)" at -292.01,906.18 h60 r90
  text "1574.803 (mil)" at -145,408.06 h60 r90
  text "4173.236 (mil)" at 1705.81,-195.72 h60 r0.11
Mechanical 1:
  lines w10: 3,31 -2,26 4180,26 4187,19 ; 1223,2092 1230,2099

## Text inside footprints (layer, text, board x,y; h text height)
BT1: Top Overlay "+" at 4102.28,737.49 h45.28 r270